# Altium PCB 2019.07.17.master.PcbDoc (part 4 of 6) (continued)
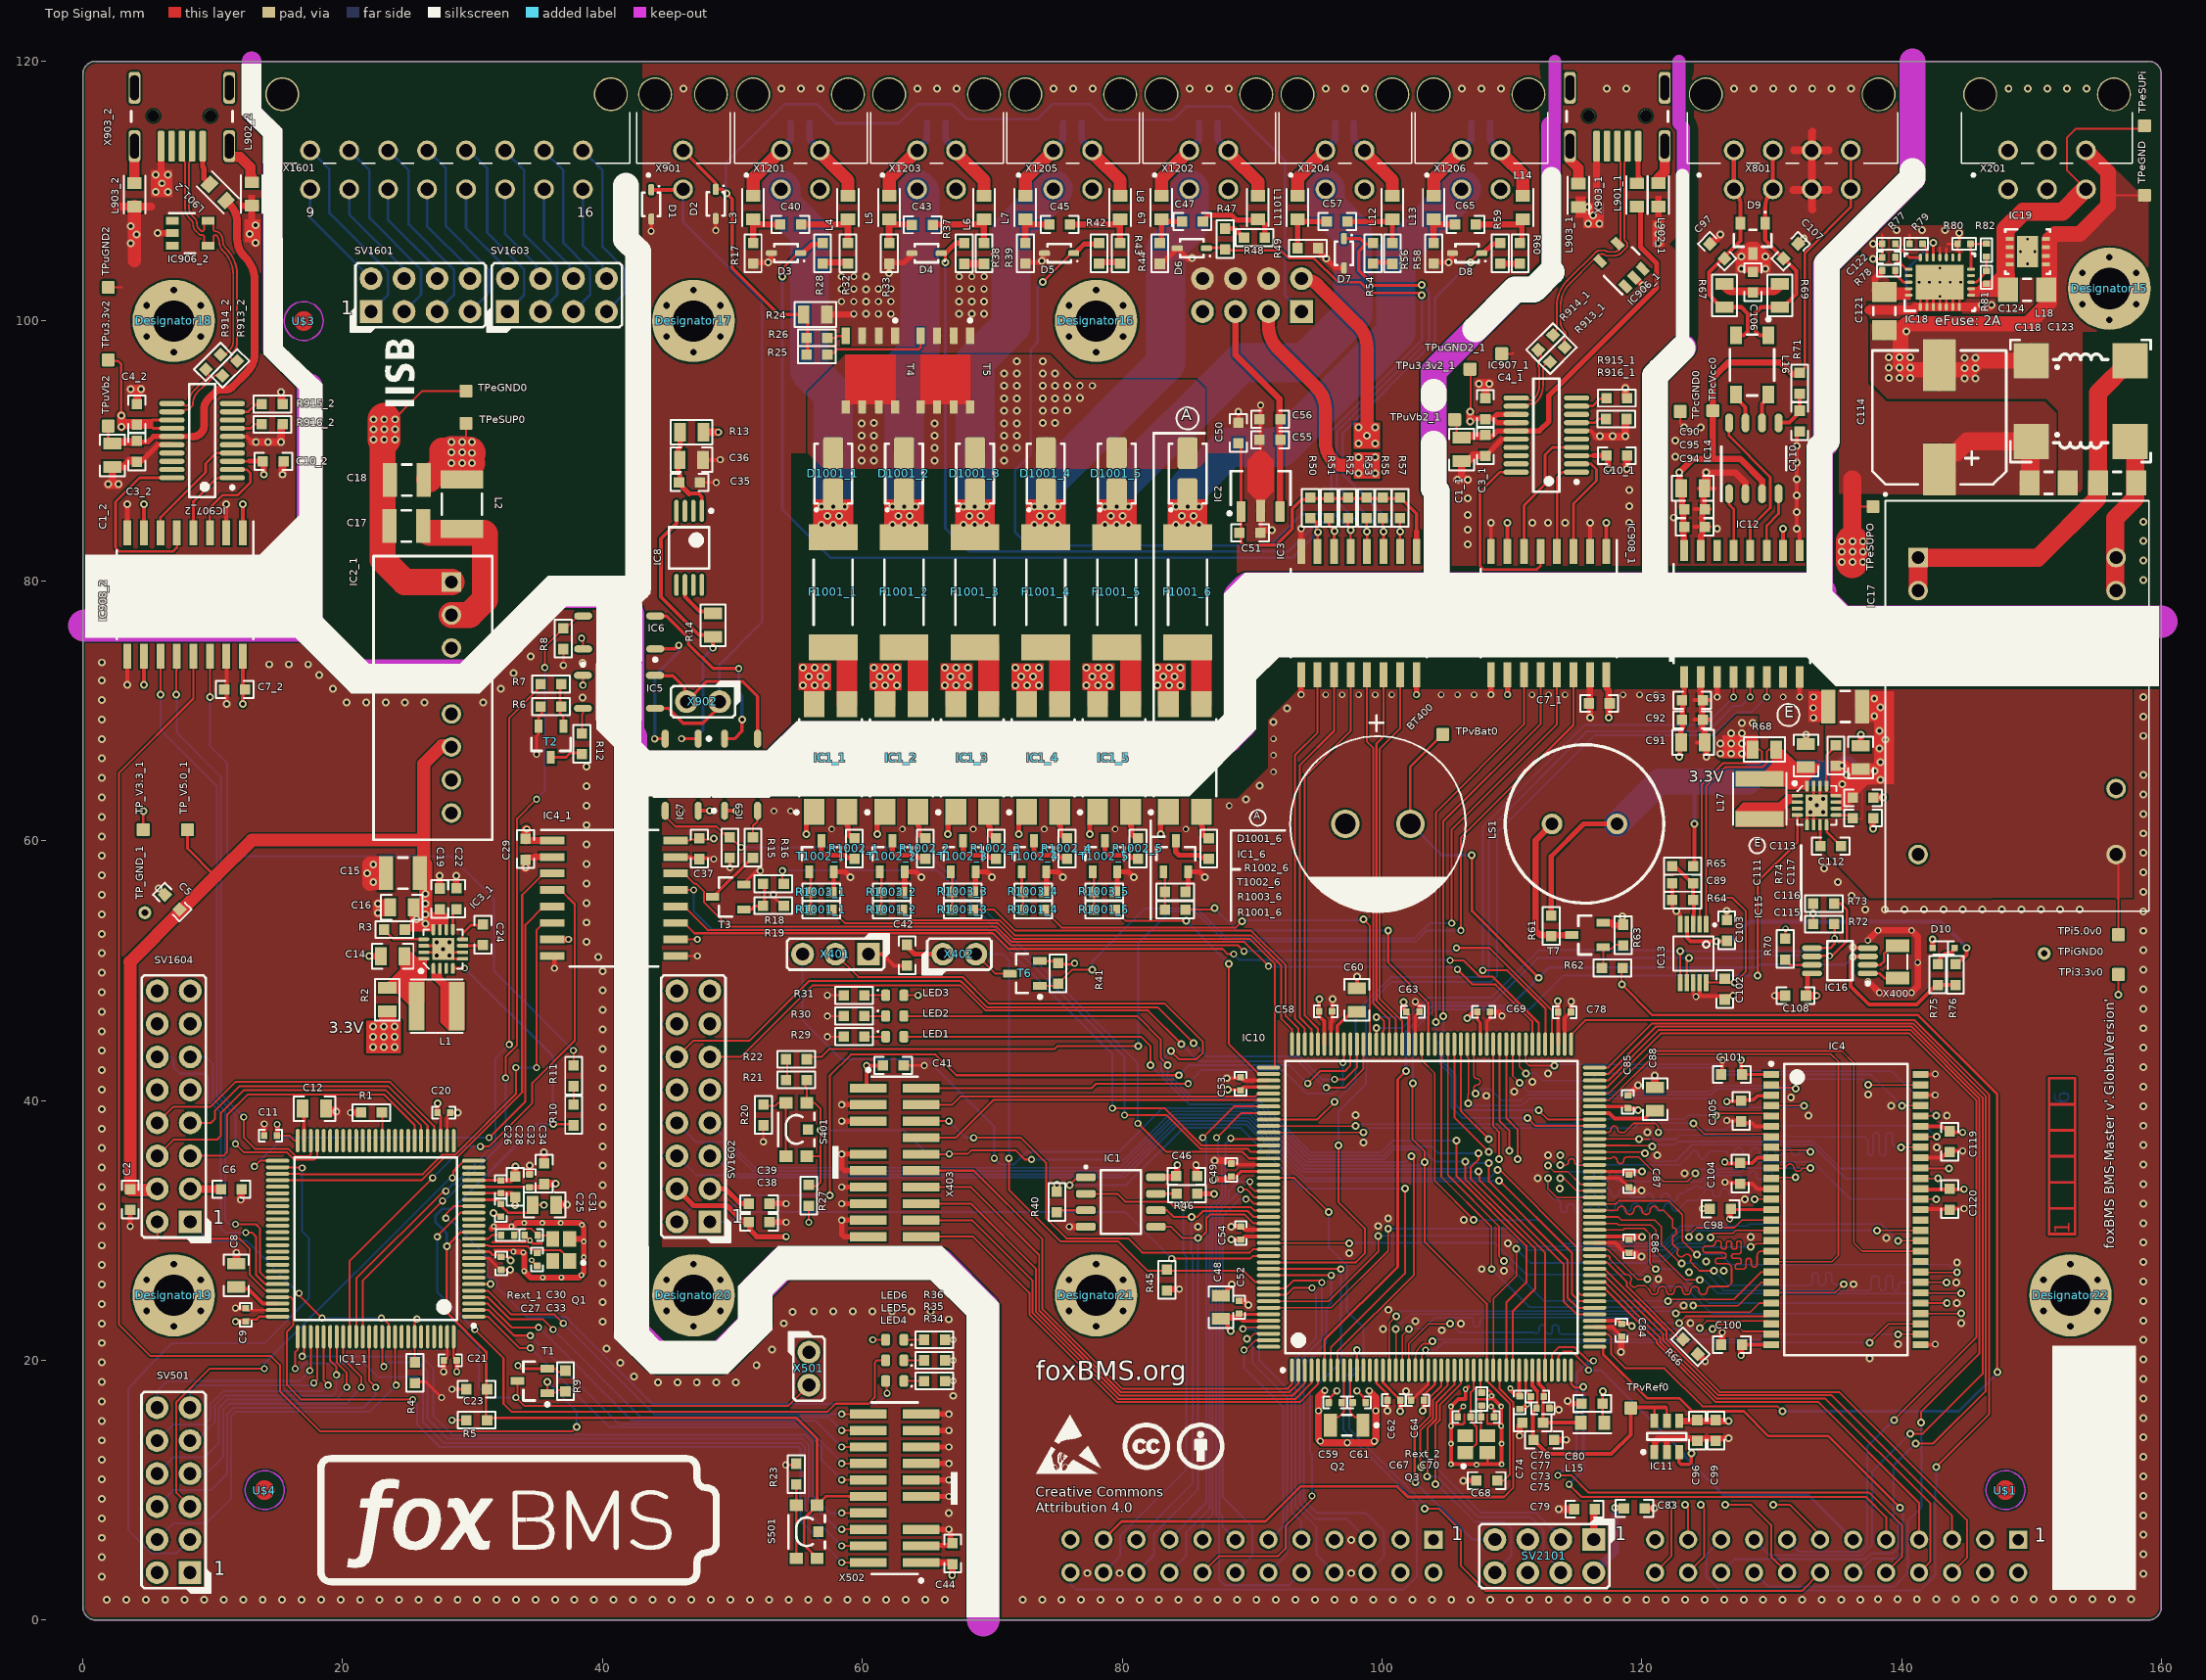
[diagram p0: Top Signal view]
## Nets (pads, with @x,y where several pads share a name; then routed paths per layer and width w, separated by ;. In a path a pad name is that pad's centre, name@x,y a point inside that pad or via, vN(x,y) a via of type N, cw(c..) or ccw(c..) an arc to the next point about the centre after c; other vN are vias at no path point) (continued)
  Bottom Signal w0.12: v1(121.079,27.017) 122.528,27.017 125.149,24.396 v1(143.482,24.396)
FMC_MCU_0_RAM_A8: IC4.33 IC10.64 | length 34.5
  Top Signal w0.12: IC10.64@116.372,30.534 118.091,30.534 118.209,30.415 120.697,30.415 121.082,30.03 121.082,28.445 123.339,26.187 v1(124.475,26.187) ; IC4.33@141.466,25.196 141.499,25.163 v1(144.577,25.163)
  Bottom Signal w0.12: v1(124.475,26.187) 124.816,26.187 125.881,25.122 144.536,25.122 v1(144.577,25.163)
FMC_MCU_0_RAM_A9: IC4.34 IC10.65 | length 36.5
  Top Signal w0.12: IC10.65@116.372,31.034 118.203,31.034 118.441,30.796 121.005,30.796 121.5,30.301 121.5,28.932 123.063,27.369 v1(123.063,27.457) ; IC4.34@141.466,25.996 141.469,25.993 v1(143.465,25.993)
  Bottom Signal w0.12: v1(123.063,27.457) 124.211,27.457 126.307,25.362 137.431,25.362 ccw(c137.431,25.598) 137.668,25.598 137.668,26.205 cw(c137.959,26.205) 137.959,26.495 138.024,26.495 cw(c138.024,26.228) 138.292,26.228 138.292,25.651 ccw(c138.581,25.651) 138.581,25.362 ccw(c138.581,25.597) 138.816,25.597 138.816,26.286 cw(c139.033,26.286) 139.033,26.503 139.139,26.503 cw(c139.139,26.323) 139.319,26.323 139.319,25.606 ccw(c139.563,25.606) 139.563,25.362 ccw(c139.563,25.597) 139.799,25.597 139.799,25.785 cw(c140.007,25.785) 140.007,25.993 v1(143.465,25.993)
FMC_MCU_0_RAM_A10: IC4.22 IC10.66 | length 34.4
  Top Signal w0.12: IC10.66@116.372,31.534 118.135,31.534 cw(c118.449,31.534) 118.763,31.534 ccw(c119.077,31.534) 119.391,31.534 cw(c119.705,31.534) 120.019,31.534 ccw(c120.333,31.534) 120.647,31.534 cw(c120.961,31.534) 121.275,31.534 121.673,31.534 122.377,30.829 122.377,30.201 cw(c122.377,29.887) 122.377,29.573 122.377,28.945 122.821,28.5 ccw(c123.043,28.278) 123.265,28.056 cw(c123.487,27.834) 123.709,27.612 124.153,27.168 124.255,27.066 124.433,26.889 v1(125.549,26.889) ; IC4.22@129.966,25.196 134.881,25.196 v1(135.534,25.849)
  Bottom Signal w0.12: v1(125.549,26.889) 126.653,25.785 132.899,25.785 ccw(c132.899,26.009) 133.123,26.009 133.123,26.514 cw(c133.367,26.514) 133.367,26.759 133.371,26.759 cw(c133.371,26.52) 133.61,26.52 133.61,26.025 ccw(c133.85,26.025) 133.85,25.785 133.954,25.785 ccw(c133.954,25.991) 134.16,25.991 134.16,26.557 cw(c134.365,26.557) 134.365,26.763 cw(c134.365,26.513) 134.615,26.513 134.615,26.187 ccw(c134.953,26.187) 134.953,25.849 v1(135.534,25.849)
FMC_MCU_0_RAM_A11: IC4.35 IC10.67 | length 34.4
  Top Signal w0.12: IC10.67@116.372,32.034 117.977,32.034 118.218,32.275 122.07,32.275 123.135,31.21 123.135,29.189 124.257,28.067 v1(124.257,28.143) ; IC4.35@141.466,26.759 v1(144.272,26.759)
  Bottom Signal w0.12: v1(124.257,28.143) 126.07,28.143 126.853,27.361 143.67,27.361 v1(144.272,26.759)
FMC_MCU_0_RAM_BA0: IC4.20 IC10.108 | length 41.7
  Top Signal w0.12: IC10.108@105.072,44.334 105.072,34.249 109.017,30.305 109.017,28.007 v1(109.379,27.645) ; v1(122.022,24.562) 121.935,24.562 121.812,24.685 127.098,24.685 129.208,26.796 IC4.20@129.966,26.796
  Bottom Signal w0.12: v1(109.379,27.645) 112.462,24.562 v1(122.022,24.562)
FMC_MCU_0_RAM_BA1: IC4.21 IC10.109 | length 42.9
  Top Signal w0.12: IC10.109@104.573,44.334 104.573,34.119 108.437,30.255 v1(108.437,27.017) ; v1(123.96,24.198) 127.411,24.198 129.209,25.996 IC4.21@129.966,25.996
  Bottom Signal w0.12: v1(108.437,27.017) 111.379,24.075 122.324,24.075 122.938,24.689 123.469,24.689 v1(123.96,24.198)
FMC_MCU_0_RAM_D0: IC4.2 IC10.104 | length 31.9
  Top Signal w0.12: IC10.104@107.072,44.334 107.072,41.94 ccw(c107.322,41.94) 107.322,41.69 cw(c107.322,41.44) 107.322,41.19 ccw(c107.322,40.94) 107.072,40.94 107.072,40.686 v1(107.225,40.534) ; IC4.2@129.966,41.196 130.181,40.981 131.79,40.981 v1(131.851,40.919)
  Bottom Signal w0.12: v1(107.225,40.534) 107.333,40.534 107.68,40.881 108.343,40.881 109.193,40.031 110.756,40.031 111.172,40.447 111.186,40.432 125.326,40.432 125.775,40.881 131.813,40.881 v1(131.851,40.919)
FMC_MCU_0_RAM_D1: IC4.4 IC10.105 | length 33.7
  Top Signal w0.12: IC10.105@106.573,44.334 106.573,43.332 106.667,43.238 106.667,40.467 106.63,40.43 v1(106.63,39.768) ; IC4.4@129.966,39.596 v1(132.512,39.596)
  Bottom Signal w0.12: v1(106.63,39.768) 106.802,39.596 110.796,39.596 111.364,40.164 125.415,40.164 126.132,39.447 132.233,39.447 132.382,39.596 v1(132.512,39.596)
FMC_MCU_0_RAM_D2: IC4.5 IC10.142 | length 39.6
  Top Signal w0.12: IC10.142@91.273,38.034 98.183,38.034 98.204,38.055 v1(97.993,38.055) ; v1(125.712,38.847) 125.712,38.872 125.851,39.011 129.751,39.011 IC4.5@129.966,38.796
  Bottom Signal w0.12: v1(97.993,38.055) 98.102,38.163 114.801,38.163 115.216,38.578 123.262,38.578 123.537,38.854 123.544,38.847 v1(125.712,38.847)
FMC_MCU_0_RAM_D3: IC4.7 IC10.143 | length 39.5
  Top Signal w0.12: IC10.143@91.273,37.534 91.348,37.609 91.424,37.533 v1(98.582,37.533) ; v1(123.977,38.244) 124.811,37.411 129.751,37.411 IC4.7@129.966,37.196
  Bottom Signal w0.12: v1(98.582,37.533) 98.921,37.871 119.407,37.871 119.78,38.244 v1(123.977,38.244)
FMC_MCU_0_RAM_D4: IC4.13 IC10.68 | length 31.4
  Top Signal w0.12: v1(112.774,33.996) 112.774,33.215 113.456,32.534 IC10.68@116.372,32.534 ; v1(128.676,32.402) 129.96,32.402 IC4.13@129.966,32.396
  Bottom Signal w0.12: v1(112.774,33.996) 112.774,33.077 ccw(c113.449,33.077) 113.449,32.402 cw(c113.449,32.116) 113.735,32.116 113.735,31.636 ccw(c113.975,31.636) 113.975,31.395 114.024,31.395 ccw(c114.024,31.617) 114.246,31.617 114.246,31.766 cw(c114.497,31.766) 114.497,32.017 114.575,32.017 cw(c114.575,31.787) 114.805,31.787 114.805,31.66 ccw(c115.07,31.66) 115.07,31.395 ccw(c115.07,31.722) 115.397,31.722 115.397,31.767 cw(c115.725,31.767) 115.725,32.094 115.741,32.094 cw(c115.741,31.78) 116.055,31.78 116.055,31.767 ccw(c116.369,31.767) 116.683,31.767 cw(c116.997,31.767) 117.311,31.767 ccw(c117.625,31.767) 117.939,31.767 cw(c118.253,31.767) 118.567,31.767 ccw(c118.881,31.767) 119.195,31.767 cw(c119.509,31.767) 119.823,31.767 ccw(c120.137,31.767) 120.451,31.767 cw(c120.765,31.767) 121.079,31.767 ccw(c121.393,31.767) 121.707,31.767 cw(c122.021,31.767) 122.335,31.767 ccw(c122.649,31.767) 122.963,31.767 123.491,32.296 124.201,32.296 124.816,32.91 cw(c125.13,32.91) 125.444,32.91 ccw(c125.758,32.91) 126.072,32.91 cw(c126.386,32.91) 126.7,32.91 ccw(c127.014,32.91) 127.328,32.91 128.168,32.91 v1(128.676,32.402)
FMC_MCU_0_RAM_D5: IC4.11 IC10.69 | length 29.8
  Top Signal w0.12: v1(113.716,33.996) 114.027,33.996 114.989,33.034 IC10.69@116.372,33.034 ; IC4.11@129.966,33.996 130.049,34.078 v1(131.836,34.078)
  Bottom Signal w0.12: v1(113.716,33.996) 114.027,33.996 115.113,32.91 ccw(c115.427,32.91) 115.741,32.91 cw(c116.055,32.91) 116.369,32.91 ccw(c116.683,32.91) 116.997,32.91 cw(c117.311,32.91) 117.625,32.91 ccw(c117.939,32.91) 118.253,32.91 cw(c118.567,32.91) 118.881,32.91 119.255,32.536 120.244,32.536 cw(c120.558,32.529) 120.872,32.536 ccw(c121.186,32.536) 121.5,32.536 cw(c121.814,32.536) 122.128,32.536 ccw(c122.442,32.536) 122.756,32.536 cw(c123.07,32.536) 122.995,32.841 123.22,32.841 123.544,33.164 123.821,33.164 123.977,33.321 cw(c124.199,33.099) 124.421,33.321 ccw(c124.586,33.6) 124.866,33.765 125.332,34.231 126.009,34.231 126.019,34.221 126.8,34.221 126.81,34.231 127.585,34.231 ccw(c127.899,34.231) 128.213,34.231 cw(c128.527,34.231) 128.841,34.231 ccw(c129.155,34.231) 129.469,34.231 cw(c129.783,34.231) 130.097,34.231 130.25,34.078 v1(131.836,34.078)
FMC_MCU_0_RAM_D6: IC4.10 IC10.70 | length 32.7
  Top Signal w0.12: v1(112.774,34.989) 113.232,34.531 114.294,34.531 115.295,33.53 IC10.70@116.372,33.53 ; IC4.10@129.966,34.796 131.092,34.796 cw(c131.406,34.796) 131.72,34.796 ccw(c132.034,34.862) 132.348,34.796 v1(132.976,34.796)
  Bottom Signal w0.12: v1(112.774,34.989) 113.232,34.531 115.189,34.531 cw(c115.189,34.101) 115.619,34.101 ccw(c115.872,34.101) 115.872,33.849 116.061,33.849 ccw(c116.061,34.114) 116.326,34.114 116.326,34.362 cw(c116.576,34.362) 116.576,34.612 116.605,34.612 cw(c116.605,34.341) 116.875,34.341 116.875,34.117 ccw(c117.183,34.117) 117.183,33.809 117.243,33.809 ccw(c117.243,34.069) 117.503,34.069 117.503,34.328 cw(c117.787,34.328) 117.787,34.612 cw(c117.787,34.369) 118.03,34.369 118.03,33.94 ccw(c118.214,33.94) 118.214,33.757 118.363,33.757 ccw(c118.363,33.926) 118.532,33.926 118.532,34.344 cw(c118.846,34.344) 118.846,34.658 cw(c118.846,34.379) 119.125,34.379 119.125,34.142 ccw(c119.511,34.142) 119.511,33.757 124.518,33.757 125.232,34.471 127.595,34.471 127.92,34.796 v1(132.976,34.796)
FMC_MCU_0_RAM_D7: IC4.8 IC10.73 | length 30.2
  Top Signal w0.12: v1(113.716,35.018) 114.097,35.018 ccw(c114.097,35.268) 114.347,35.268 cw(c114.597,35.268) 114.847,35.268 ccw(c115.097,35.268) 115.097,35.018 116.357,35.018 IC10.73@116.372,35.034 ; IC4.8@129.966,36.396 130.181,36.181 132.718,36.181 132.839,36.06 v1(132.969,36.06)
  Bottom Signal w0.12: v1(113.716,35.018) 113.753,35.056 114.134,35.056 ccw(c114.134,35.306) 114.384,35.306 cw(c114.634,35.306) 114.884,35.306 ccw(c115.134,35.306) 115.134,35.056 122.985,35.056 123.735,35.806 cw(c124.049,35.806) 124.363,35.806 ccw(c124.677,35.806) 124.991,35.806 125.27,36.085 126.51,36.085 ccw(c126.824,36.136) 127.138,36.085 cw(c127.452,36.037) 127.766,36.085 ccw(c128.08,36.085) 128.394,36.085 cw(c128.708,36.037) 129.022,36.085 ccw(c129.336,36.085) 129.65,36.085 cw(c129.964,36.037) 130.278,36.085 ccw(c130.592,36.085) 130.906,36.085 cw(c131.22,36.037) 131.534,36.085 ccw(c131.848,36.085) 132.162,36.085 132.944,36.085 v1(132.969,36.06)
FMC_MCU_0_RAM_D8: IC4.42 IC10.74 | length 30.8
  Top Signal w0.12: IC10.74@116.372,35.534 117.628,35.534 117.729,35.634 117.856,35.634 cw(c117.856,35.384) 118.106,35.384 ccw(c118.356,35.384) 118.606,35.384 cw(c118.856,35.384) 118.856,35.634 119.785,35.634 121.663,33.757 123.498,33.757 v1(124.13,34.388) ; IC4.42@141.466,32.396 141.473,32.402 v1(142.672,32.402)
  Bottom Signal w0.12: v1(124.13,34.388) 124.13,34.475 124.365,34.711 127.298,34.711 127.869,35.283 133.178,35.283 136.058,32.402 v1(142.672,32.402)
FMC_MCU_0_RAM_D9: IC4.44 IC10.75 | length 29.7
  Top Signal w0.12: IC10.75@116.372,36.034 120.142,36.034 v1(120.244,35.933) ; IC4.44@141.466,33.996 v1(142.803,33.996)
  Bottom Signal w0.12: v1(120.244,35.933) 120.871,35.306 122.593,35.306 123.882,36.595 133.123,36.595 135.722,33.996 v1(142.803,33.996)
FMC_MCU_0_RAM_D10: IC4.45 IC10.76 | length 30.5
  Top Signal w0.12: IC10.76@116.372,36.534 119.102,36.534 119.13,36.506 v1@120.821,36.506 ; IC4.45@141.466,34.796 141.498,34.764 v1(143.642,34.764)
  Bottom Signal w0.12: v1(120.821,36.464) 120.951,36.595 122.532,36.595 122.772,36.835 133.222,36.835 135.293,34.764 v1(143.642,34.764)
FMC_MCU_0_RAM_D11: IC4.47 IC10.77 | length 33.8
  Top Signal w0.12: IC10.77@116.372,37.034 120.616,37.034 120.607,37.025 v1(119.78,37.025) ; v1(139.965,36.396) 141.447,36.396 IC4.47@141.466,36.415
  Bottom Signal w0.12: v1(119.78,37.025) 122.623,37.025 122.93,37.333 134.236,37.206 136.983,37.206 cw(c136.983,36.762) 137.427,36.762 137.427,35.922 ccw(c137.605,35.922) 137.605,35.744 137.618,35.744 ccw(c137.618,35.962) 137.836,35.962 137.836,37.333 cw(c138.02,37.333) 138.02,37.516 138.125,37.516 cw(c138.125,37.35) 138.292,37.35 138.292,36.024 ccw(c138.581,36.024) 138.581,35.735 ccw(c138.581,35.971) 138.816,35.971 138.816,37.333 cw(c139.016,37.333) 139.016,37.533 139.1,37.533 cw(c139.1,37.342) 139.29,37.342 139.29,36.835 ccw(c139.729,36.835) 139.729,36.396 v1(139.965,36.396)
FMC_MCU_0_RAM_D12: IC4.48 IC10.78 | length 29.6
  Top Signal w0.12: IC10.78@116.372,37.534 117.388,37.534 ccw(c117.388,37.784) 117.638,37.784 cw(c117.888,37.784) 118.138,37.784 ccw(c118.388,37.784) 118.388,37.534 118.661,37.534 119.355,38.227 121.056,38.227 121.285,37.998 v1(121.285,37.533) v1@121.258,37.56 ; IC4.48@141.466,37.196 141.473,37.203 v1(142.697,37.203)
  Bottom Signal w0.12: v1(121.285,37.533) 121.509,37.757 126.501,37.757 126.802,38.058 141.823,38.058 142.679,37.203 v1(142.697,37.203)
FMC_MCU_0_RAM_D13: IC4.50 IC10.96 | length 36
  Top Signal w0.12: IC10.96@111.073,44.334 111.073,42.943 111.337,42.679 v1(113.282,42.679) ; IC4.50@141.466,38.796 141.499,38.828 v1(142.672,38.828)
  Bottom Signal w0.12: v1(113.282,42.679) 113.364,42.761 125.888,42.761 126.414,42.235 139.265,42.235 v1(142.672,38.828)
FMC_MCU_0_RAM_D14: IC4.51 IC10.97 | length 34.7
  Top Signal w0.12: IC10.97@110.572,44.334 110.572,42.597 111.092,42.078 v1(111.103,42.078) ; v1(140.017,39.596) IC4.51@141.466,39.596
  Bottom Signal w0.12: v1(111.103,42.078) 111.827,42.078 112.371,41.534 116.061,41.534 116.605,42.078 118.439,42.078 118.882,42.521 125.788,42.521 126.314,41.995 137.618,41.995 v1(140.017,39.596)
FMC_MCU_0_RAM_D15: IC4.53 IC10.98 | length 35.4
  Top Signal w0.12: IC10.98@110.073,44.334 110.073,41.885 v1(110.589,41.368) ; v1(137.419,41.213) 137.436,41.196 IC4.53@141.466,41.196
  Bottom Signal w0.12: v1(110.589,41.368) 111.285,40.672 125.227,40.672 125.676,41.121 131.358,41.121 131.867,41.631 137,41.631 137.253,41.378 v1@137.427,41.378 ; v1(137.419,41.213) v1@137.427,41.213 ; v1@137.427,41.213 v1@137.427,41.378 ; v1@137.427,41.213 137.593,41.213 v1@137.427,41.378
FMC_MCU_0_RAM_NBL0: IC4.15 IC10.169 | length 43
  Top Signal w0.12: IC10.169@91.273,24.534 95.879,24.534 99.72,28.375 v1(99.72,29.573) ; v1(123.65,29.495) 123.65,29.639 124.213,30.201 127.122,30.201 127.717,30.796 IC4.15@129.966,30.796
  Bottom Signal w0.12: v1(99.72,29.573) 110.035,29.573 111.108,28.5 121.84,28.5 122.835,29.495 v1(123.65,29.495)
FMC_MCU_0_RAM_NBL1: IC4.39 IC10.170 | length 54.8
  Top Signal w0.12: IC10.170@91.273,24.034 96.1,24.034 100.482,28.417 v1(100.482,30.124) ; v1(138.125,29.989) 141.46,29.989 IC4.39@141.466,29.996
  Bottom Signal w0.12: v1(100.482,30.124) 109.823,30.124 111.206,28.741 121.742,28.741 122.99,29.989 v1(138.125,29.989)
FMC_MCU_0_RAM_SDCKE1: IC4.37 IC10.84 | length 40.9
  Top Signal w0.12: IC10.84@116.372,40.534 117.449,40.534 120.724,43.809 135.395,43.809 136.322,42.882 136.322,29.041 136.967,28.396 IC4.37@141.466,28.396
FMC_MCU_0_RAM_SDCLK: IC4.38 IC10.112 | length 51.5
  Top Signal w0.12: IC10.112@103.072,44.334 103.072,43.078 104.072,42.078 104.072,33.796 v1(107.072,30.796) ; v1(139.725,29.202) 141.46,29.202 IC4.38@141.466,29.196
  Bottom Signal w0.12: v1(107.072,30.796) 112.092,30.796 113.906,28.981 121.643,28.981 122.995,30.334 128.145,30.334 128.287,30.476 138.451,30.476 v1(139.725,29.202)
FMC_MCU_0_RAM_SDNCAS: IC4.17 IC10.160 | length 40.8
  Top Signal w0.12: IC10.160@91.273,29.034 91.296,29.01 v1(97.472,29.01) ; v1(128.394,28.719) 128.524,28.719 128.786,28.981 129.751,28.981 IC4.17@129.966,29.196
  Bottom Signal w0.12: v1(97.472,29.01) 97.498,29.035 98.45,29.035 98.452,29.034 108.678,29.034 111.114,26.598 119.877,26.598 120.892,27.612 121.728,27.612 122.835,28.719 v1(128.394,28.719)
FMC_MCU_0_RAM_SDNE1: IC4.19 IC10.83 | length 40.7
  Top Signal w0.12: IC10.83@116.372,40.034 117.515,40.034 121.05,43.569 134.549,43.569 135.132,42.986 135.132,28.072 134.656,27.596 IC4.19@129.966,27.596
FMC_MCU_0_RAM_SDNRAS: IC4.18 IC10.59 | length 34.6
  Top Signal w0.12: IC10.59@116.372,28.034 117.454,28.034 117.536,27.951 117.536,27.789 118.715,26.61 118.763,26.61 cw(c118.789,26.192) 119.207,26.166 ccw(c119.429,25.944) 119.652,25.722 120.28,25.722 120.635,25.366 ccw(c120.949,25.366) 121.263,25.366 cw(c121.577,25.366) 121.891,25.366 ccw(c122.205,25.366) 122.519,25.366 cw(c122.833,25.366) 123.147,25.366 ccw(c123.461,25.366) 123.775,25.366 cw(c124.089,25.366) 124.403,25.366 ccw(c124.717,25.366) 125.031,25.366 cw(c125.345,25.366) 125.345,25.68 126.656,25.68 126.92,25.944 126.92,27.053 ccw(c126.549,27.053) 126.549,27.424 125.848,27.424 cw(c125.848,27.612) 125.659,27.612 125.659,27.662 cw(c125.832,27.662) 125.832,27.834 126.287,27.834 ccw(c126.287,28.038) 126.492,28.038 126.492,28.056 ccw(c126.27,28.056) 126.27,28.278 124.943,28.278 cw(c124.943,28.503) 124.717,28.503 124.717,28.57 cw(c124.943,28.57) 124.943,28.795 125.421,28.795 ccw(c125.421,29.034) 125.659,29.034 cw(c125.827,29.034) 125.827,29.202 125.933,29.202 cw(c125.933,29.034) 126.101,29.034 126.101,28.752 ccw(c126.287,28.752) 126.287,28.566 126.364,28.566 ccw(c126.364,28.719) 126.517,28.719 126.517,28.998 cw(c126.695,28.998) 126.695,29.176 126.777,29.176 cw(c126.777,29.034) 126.92,29.034 126.92,28.709 ccw(c127.063,28.709) 127.063,28.566 127.202,28.566 ccw(c127.202,28.668) 127.305,28.668 127.305,29.036 cw(c127.445,29.036) 127.445,29.176 127.518,29.176 cw(c127.518,29.034) 127.66,29.034 127.66,28.389 cw(c127.457,28.389) 127.457,28.186 127.049,28.186 ccw(c127.049,28.056) 126.92,28.056 126.92,27.978 ccw(c127.063,27.978) 127.063,27.834 127.506,27.834 cw(c127.506,27.679) 127.66,27.679 127.66,27.536 cw(c127.548,27.536) 127.548,27.424 127.356,27.424 ccw(c127.356,27.271) 127.203,27.271 127.203,27.151 ccw(c127.337,27.151) 127.337,27.017 127.762,27.017 ccw(c127.762,27.297) 128.041,27.297 128.041,27.679 cw(c128.196,27.679) 128.196,27.834 128.266,27.834 cw(c128.266,27.678) 128.422,27.678 128.422,27.422 ccw(c128.676,27.422) 128.676,27.168 ccw(c128.676,27.371) 128.88,27.371 128.88,28.043 cw(c129.232,28.043) 129.232,28.396 IC4.18@129.966,28.396
FMC_MCU_0_RAM_SDNWE: IC4.16 IC10.32 | length 31.3
  Top Signal w0.12: IC10.32@108.573,19.234 108.573,24.727 110.349,26.504 v1(110.349,28.57) ; v1(125.298,29.439) 125.298,29.575 125.504,29.781 127.041,29.781 127.256,29.996 IC4.16@129.966,29.996
  Bottom Signal w0.12: v1@110.349,28.567 110.353,28.567 111.429,27.491 120.296,27.491 120.821,28.015 121.79,28.015 122.756,28.981 124.764,28.981 125.221,29.439 v1(125.298,29.439)
FQ_3.3_0: IC15.3
FQ_3.3_1: IC3_1.3
FTDI_MCU_0_DTR: IC908_1.13 R41.1 T6.1 | length 58.8
  Top Signal w0.152: T6.1@73.682,48.826 74.822,48.826 75.072,49.076 75.172,49.076 76.146,50.05 v1@77.708,50.05 ; v2(105.371,53.64) 105.371,60.845 113.476,68.95 IC908_1.13@113.476,72.545 ; IC908_1.13@113.476,72.769 IC908_1.13@113.476,72.545 ; IC908_1.13@113.7,72.769 IC908_1.13@113.476,72.545
  Bottom Signal w0.152: v1(77.708,50.057) 77.708,50.733 81.761,54.786 85.728,54.786 88.032,52.482 102.514,52.482 103.672,53.64 v2(105.371,53.64)
FTDI_MCU_0_RTS: IC908_1.14 R22.2 | length 84.3
  Top Signal w0.152: R22.2@55.777,43.247 55.894,43.364 56.885,43.364 57.489,43.967 74.811,43.967 75.04,44.196 v1(81.229,44.196) ; v2(106.072,53.086) 106.072,60.231 114.746,68.905 114.746,72.545 IC908_1.14@114.523,72.769
  Bottom Signal w0.152: v1(81.229,44.196) 81.229,52.095 83.668,54.534 85.623,54.534 87.927,52.23 102.619,52.23 103.475,53.086 v2(106.072,53.086)
FTDI_MCU_0_RX: IC10.80 IC908_1.12 | length 47.8
  Top Signal w0.152: v1(104.724,46.482) 104.724,61.49 112.206,68.972 IC908_1.12@112.206,72.769 ; v1(112.065,39.243) 112.774,38.534 IC10.80@116.372,38.534
  Bottom Signal w0.152: v1(104.724,46.482) 104.724,42.923 105.661,41.986 105.661,39.695 106.114,39.243 v1(112.065,39.243)
FTDI_MCU_0_TX: IC10.79 IC908_1.11 | length 48.2
  Top Signal w0.152: v1(104.14,46.025) 104.14,62.154 110.936,68.95 IC908_1.11@110.936,72.769 ; v1(111.208,38.65) 111.825,38.034 IC10.79@116.372,38.034
  Bottom Signal w0.152: v1(104.14,46.025) 104.14,44.649 104.472,44.317 104.472,42.818 105.371,41.919 105.371,39.452 106.172,38.65 v1(111.208,38.65)
FTDI_MCU_1_DTR: IC908_2.13 R9.1 T1.1 | length 100.6
  Top Signal w0.152: IC908_2.13@8.509,74.193 8.509,70.937 2.794,65.222 2.794,22.733 5.182,20.345 14.46,20.345 15.171,19.634 15.171,17.615 18.257,14.529 37.705,14.529 v1(38.035,14.859) ; v1(35.758,18.335) T1.1@35.758,17.45 36.172,17.45 36.21,17.488 36.384,17.488 36.596,17.7 R9.1@37.148,17.7
  Bottom Signal w0.152: v1(35.758,18.335) 38.035,16.057 v1(38.035,14.859)
FTDI_MCU_1_RTS: IC908_2.14 R11.2 | length 53
  Top Signal w0.152: v1(9.779,71.069) IC908_2.14@9.779,74.193 ; v2(37.77,43.84) 37.782,43.828 R11.2@37.782,42.745
  Bottom Signal w0.152: v1(9.779,71.069) 9.779,67.31 11.112,65.977 11.112,59.04 11.352,58.801 28.346,58.801 31.648,55.499 31.648,49.962 v2(37.77,43.84)
FTDI_MCU_1_RX: IC1_1.48 IC908_2.12 | length 46.3
  Top Signal w0.152: v1(7.188,71.247) 7.188,73.091 7.239,73.142 IC908_2.12@7.239,74.193 ; v2(12.383,38.72) 12.383,37.142 13.247,36.278 15.802,36.278 16.392,35.687 17.399,35.687 17.543,35.831 IC1_1.48@17.543,36.904 IC1_1.48@17.543,37.104
  Bottom Signal w0.152: v1@7.239,71.222 7.239,68.301 10.636,64.903 10.636,40.466 v2(12.383,38.72)
FTDI_MCU_1_TX: IC1_1.47 IC908_2.11 | length 48.2
  Top Signal w0.152: v1(5.969,71.247) IC908_2.11@5.969,74.193 ; v2(11.747,36.656) 12.406,35.998 15.725,35.998 16.289,35.433 17.78,35.433 18.042,35.695 IC1_1.47@18.042,37.104
  Bottom Signal w0.152: v1@5.969,71.196 5.969,68.544 10.319,64.194 10.319,40.308 11.747,38.879 v2(11.747,36.656)
GND_1: C2.2 C5.2 C6.2 C7_2.2 C8.2 C9.2 C11.2 C12.2 C14.2 C15.1 C16.2 C19.2 C20.2 C21.2 C22.2 C23.2 C25.2 C26.2 C27.2 C28.2 C29.2 C30.2 C31.2 C32.2 C33.1 C34.2 C44.2 IC1_1.10 IC1_1.20 IC1_1.27 IC1_1.74 IC1_1.99 IC2_1.7 IC3_1.5 IC3_1.6 IC3_1.14 IC3_1.15 IC3_1.PAD IC4_1.2 IC4_1.8 IC908_2.9 IC908_2.15 Q1.2 R1.1 R4.1 R6.2 R8.1 R23.1 R34.1 R35.1 R36.2 SV501.2 SV1604.9 SV1604.10 T2.S TP_GND_1.1 X502.3 X502.5 X502.9 X502.11 X502.13 X502.15 X502.17 X502.19 | length 100.5
  Top Signal w0.152: v2(36.989,73.486) R8.1@36.989,74.7
  Top Signal w0.2: C9.2@12.552,24.013 12.712,23.854 IC1_1.74@14.993,23.854 ; IC3_1.15@26.26,51.406 IC3_1.PAD@27.485,51.406 ; IC3_1.14@26.26,51.906 IC3_1.PAD@26.985,51.906 ; IC3_1.PAD@27.985,51.406 IC3_1.6@29.21,51.406 ; IC1_1.27@28.043,36.904 28.043,38.793 28.287,39.038 C20.2@28.287,39.063 ; IC3_1.PAD@28.515,50.906 IC3_1.5@29.21,50.906 IC3_1.5@29.525,50.906 ; IC1_1.10@30.092,27.854 31.236,27.854 C27.2@32.104,26.986 ; IC1_1.20@30.092,32.854 32.175,32.854 C26.2@32.186,32.843 ; 31.544,29.103 34.233,29.103 34.353,29.223 v4@34.416,29.223 ; v1(31.617,31.317) 31.781,31.153 32.078,31.153 C25.2@32.186,31.045 ; 31.671,28.474 v4@33.228,28.474 ; C27.2@32.206,26.957 32.889,26.957 v1@32.895,26.952 ; C28.2@32.992,32.843 C28.2@33.284,32.551 v1(33.284,31.926) ; C30.2@34.015,29.628 34.015,29.603 34.165,29.453 34.19,29.453 34.416,29.227 v4@34.416,29.223 ; v1@34.392,34.988 v1(34.402,34.999) ; v4@34.413,29.22 34.416,29.218 v4@34.416,29.223 ; v4@34.597,27.607 34.791,27.412 34.826,27.412 C33.1@34.976,27.262 ; 35.304,28.971 34.672,28.971 v4(34.42,29.223) v4@34.416,29.223 ; v1(35.476,35.998) v1@35.484,35.99
  Top Signal w0.203: R4.1@25.559,18.335 26.418,18.335 v2(27.622,17.13) ; C21.2@27.681,20.113 C21.2@27.781,20.013 ; C21.2@27.975,20.113 28.043,20.18 IC1_1.99@28.043,21.804 ; v2(28.416,17.765) C23.2@29.471,17.765 ; v2(34.925,66.66) 34.925,68.05 35.086,68.211 T2.S@35.086,68.813 35.086,69.51 35.336,69.76 R6.2@35.336,70.311 ; v2@53.994,12.052 v2(54.106,11.94) R23.1@54.927,11.94
  Top Signal w0.3: v1(3.429,71.999) IC908_2.9@3.429,74.193 ; IC908_2.15@11.049,74.193 11.074,74.168 v1(11.074,70.51) ; C15.1@23.223,57.498 C15.1@23.336,57.498 C15.1@23.448,57.498 ; C16.2@23.53,54.822 C16.2@23.755,54.822
  Top Signal w0.305: v2(36.303,50.169) IC4_1.8@36.303,51.122 ; R34.1@66.264,18.4 v2(67.005,18.4) ; R35.1@66.264,19.988 v2(67.005,19.988) ; R36.2@66.264,21.575 v2(67.005,21.575)
  Top Signal w0.4: v1(5.842,56.312) C5.2@6.371,55.783 ; v2(11.759,24.013) C9.2@12.552,24.013 ; C11.2@13.96,37.327 v2(13.96,38.192) ; v2(27.781,19.111) C21.2@27.781,20.013 ; C20.2@28.287,39.063 28.856,39.063 v1(28.858,39.065) ; C26.2@32.186,32.843 C28.2@32.992,32.843 ; X502.5@64.535,6.97 v2(66.675,6.97) 66.798,6.847 66.798,5.986 66.954,5.83 66.867,5.743 65.108,5.743 X502.3@65.065,5.7 ; X502.9@64.535,9.51 v2(66.675,9.51) ; X502.11@64.535,10.78 v2(66.675,10.78) ; X502.13@64.535,12.05 v2(66.675,12.05) ; X502.15@64.535,13.32 v2(66.675,13.32) ; X502.17@64.535,14.59 v2(66.675,14.59) ; X502.19@64.535,15.86 v2(66.675,15.86)
  Top Signal w0.406: v2(3.651,30.306) C2.2@3.651,31.52
  Top Signal w0.45: 31.445,30.12 v4(31.634,30.308) 33.122,30.308 33.384,30.57 v4(36.79,30.57) 38.269,30.57 38.565,30.274 38.565,29.381 ; v4(33.148,28.354) 33.858,28.354 33.972,28.239 v4(33.972,26.855) 34.462,26.365 v4(36.84,26.365) 38.199,26.365 38.565,26.731 v4(38.565,29.134) 38.565,29.381 ; Q1.2@37.473,29.344 38.528,29.344 38.565,29.381
  Top Signal w0.5: C8.2@11.811,27.382 C8.2@11.811,27.558 ; C12.2@18.757,39.145 C12.2@18.76,39.141 ; v2(20.61,39.063) R1.1@21.182,39.063 ; 22.548,57.498 C15.1@23.223,57.498 ; 22.855,54.822 C16.2@23.53,54.822 ; v1(27.467,57.307) 27.467,56.332 C19.2@27.483,56.316 ; v1(28.738,57.307) 28.738,56.36 C22.2@28.771,56.327 ; C29.2@34.087,58.609 34.199,58.721 34.776,58.721 34.796,58.742 IC4_1.2@36.128,58.742
  Top Signal w0.6: C8.2@11.811,27.558 v2@11.811,28.279 ; v2(12.155,32.354) C6.2@12.155,33.164 ; C32.2@34.392,34.333 v1@34.392,34.988 ; C34.2@35.484,35.179 v1@35.484,35.99 ; C31.2@36.435,31.979 v1(37.269,31.979)
  Top Signal w0.7: C12.2@18.76,39.141 v2(19.497,39.141) ; v1(22.705,54.422) v1(22.705,55.143) ; v2(34.087,57.929) C29.2@34.087,58.609
  Top Signal w1.2: v1@22.109,56.731 v1@22.109,58.153 ; IC2_1.7@28.375,64.67 IC2_1.7@28.432,64.613
  other v1: 1.843,1.575 3.343,1.575 4.843,1.575 6.343,1.575 7.843,1.575 9.343,1.575 10.843,1.575 12.343,1.575 13.843,1.575 15.343,1.575 16.843,1.575 18.343,1.575 19.843,1.575 21.343,1.575 22.843,1.575 24.343,1.575 25.843,1.575 27.343,1.575 28.843,1.575 30.343,1.575 31.843,1.575 33.343,1.575 34.843,1.575 36.343,1.575 37.843,1.575 39.343,1.575 40.843,1.575 42.343,1.575 43.843,1.575 45.343,1.575 46.843,1.575 48.343,1.575 49.843,1.575 51.343,1.575 52.843,1.575 54.343,1.575 55.843,1.575 57.343,1.575 58.843,1.575 60.343,1.575 61.843,1.575 63.343,1.575 64.843,1.575 66.343,1.575 1.473,3.327 1.473,4.827 1.473,6.327 1.473,7.827 66.675,8.24 1.473,9.327 1.473,10.827 1.473,12.327 1.473,13.827 1.473,15.327 1.473,16.827 66.992,17.257 44.272,18.288 45.771,18.288 47.269,18.288 48.768,18.288 50.267,18.288 1.473,18.327 42.443,18.745 51.867,19.609 41.377,19.812 1.473,19.827 53.061,20.803 40.31,20.879 1.473,21.327 1.473,22.827 53.95,22.835 40.03,22.962 66.675,23.137 54.637,23.73 56.278,23.774 57.778,23.774 59.278,23.774 60.778,23.774 62.278,23.774 63.778,23.774 65.278,23.774 1.473,24.327 40.03,24.46 1.473,25.827 40.03,25.959 32.892,26.955 1.473,27.327 40.03,27.457 1.473,28.827 40.03,28.956 1.473,30.327 40.03,30.455 1.473,31.827 40.03,31.979 1.473,33.327 40.03,33.477 1.473,34.827 40.03,34.976 1.473,36.327 40.03,36.474 1.473,37.827 40.03,37.973 1.473,39.327 40.03,39.472 1.473,40.827 40.03,40.97 1.473,42.327 40.03,42.469 1.473,43.827 40.03,43.967 1.473,45.327 40.03,45.466 1.473,46.827 40.03,46.965 1.473,48.327 40.03,48.463 1.473,49.827 40.03,49.962 39.671,51.027 1.473,51.327 38.76,52.198 1.473,52.827 38.76,53.698 1.473,54.327 38.76,55.198 1.473,55.827 38.76,56.698 22.359,56.807 1.473,57.327 21.904,57.48 22.359,58.153 38.76,58.198 1.473,58.827 38.76,59.698 1.473,60.327 38.76,61.198 1.473,61.827 38.76,62.698 1.473,63.327 38.76,64.198 1.473,64.827 38.76,65.698 1.473,66.327 1.473,67.827 1.473,69.327 20.306,70.637 21.806,70.637 23.306,70.637 24.806,70.637 26.306,70.637 30.806,70.637 1.473,70.827 38.481,71.02 19.246,71.697 32.183,71.697 1.473,72.327 18.186,72.757 33.172,72.898 14.349,73.56 15.849,73.56 17.349,73.56 38.481,73.687 1.473,73.711 34.493,74.193
  other v2: 11.811,28.279
  other v4: 35.411,26.365 38.382,26.548 34.546,27.696 38.565,27.933 33.915,28.296 32.994,30.308 38.417,30.422 33.972,30.57 35.368,30.57
GND_EXT_0: C17.1 C18.1 C114.2 C118.1 C121.1 C124.1 IC2_1.1 IC18.17 IC19.5 IC19.6 IC19.7 IC19.8 L18.4 SV901.2 TPeGND0.1 TPeGND.1 X201.3 | length 91.6
  Top Signal w0.15: v1@23.19,91.669 26.132,94.611 TPeGND0.1@29.5,94.611 ; 155.901,109.68 TPeGND.1@158.699,109.68
  Top Signal w0.2: IC18.17@142.45,104.892 v1(142.45,106.011)
  Top Signal w1: SV901.2@93.81,103.27 cw(c93.81,101.434) 95.108,102.732 98.113,99.728 cw(c96.317,97.932) 98.857,97.932 v1@98.857,91.188
  Top Signal w1.2: L18.4@149.971,96.95 145.972,96.95 145.268,96.246 140.39,96.246 139.918,96.717 139.918,99.287 140.419,99.787 149.733,99.787 151.384,101.438 151.384,104.374 151.384,106.278 151.825,106.719 153.726,106.719 155.901,108.893 155.901,109.68 155.901,111.437 X201.3@154.198,113.14
  Top Signal w2: 23.089,91.228 23.089,81.61 24.789,79.91 IC2_1.1@28.375,79.91
  Top Signal w2.5: v1(23.19,90.863) 23.19,91.669 v1(23.19,92.438)
  Bottom Signal w0.2: v1(140.37,99.187) 140.37,103.862 140.335,103.897 v1(142.45,106.011)
  other v1: 158.6,80.058 158.6,81.558 158.6,83.058 158.6,84.558 98.196,90.557 99.466,90.557 22.377,90.863 24.028,90.863 98.831,91.19 22.377,91.669 23.203,91.669 24.028,91.669 98.196,91.824 99.466,91.824 22.377,92.438 24.028,92.438 144.869,95.58 145.694,95.58 139.027,95.631 139.852,95.631 140.678,95.631 144.869,96.368 145.694,96.368 139.027,96.418 139.852,96.418 140.678,96.418 144.869,97.155 145.694,97.155 139.027,97.206 139.852,97.206 140.678,97.206